# KiCad board anyesc.kicad_pcb
title: ANYESC; date: 2023-08-31; rev: V1.0; company: MUREX Robotics [Byran Huang]; note: electronic speed controlling system; note: ESC agnostic integration board for the MUREX; note: // TECHNOLOGY FOR ALL; note: // ATTEMPT THE IMPOSSIBLE
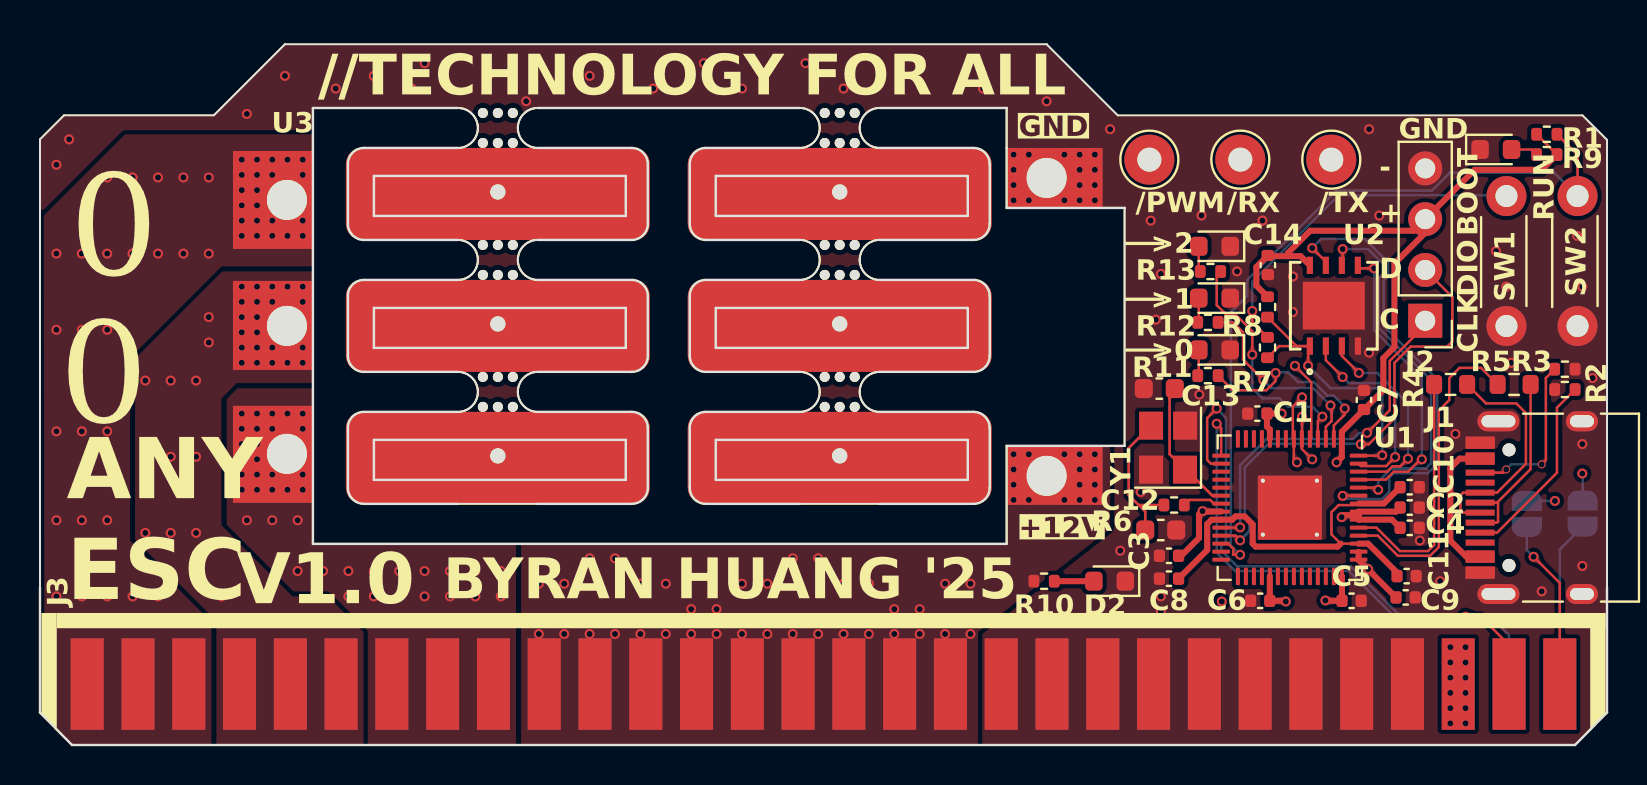
[diagram p0: board, top side]
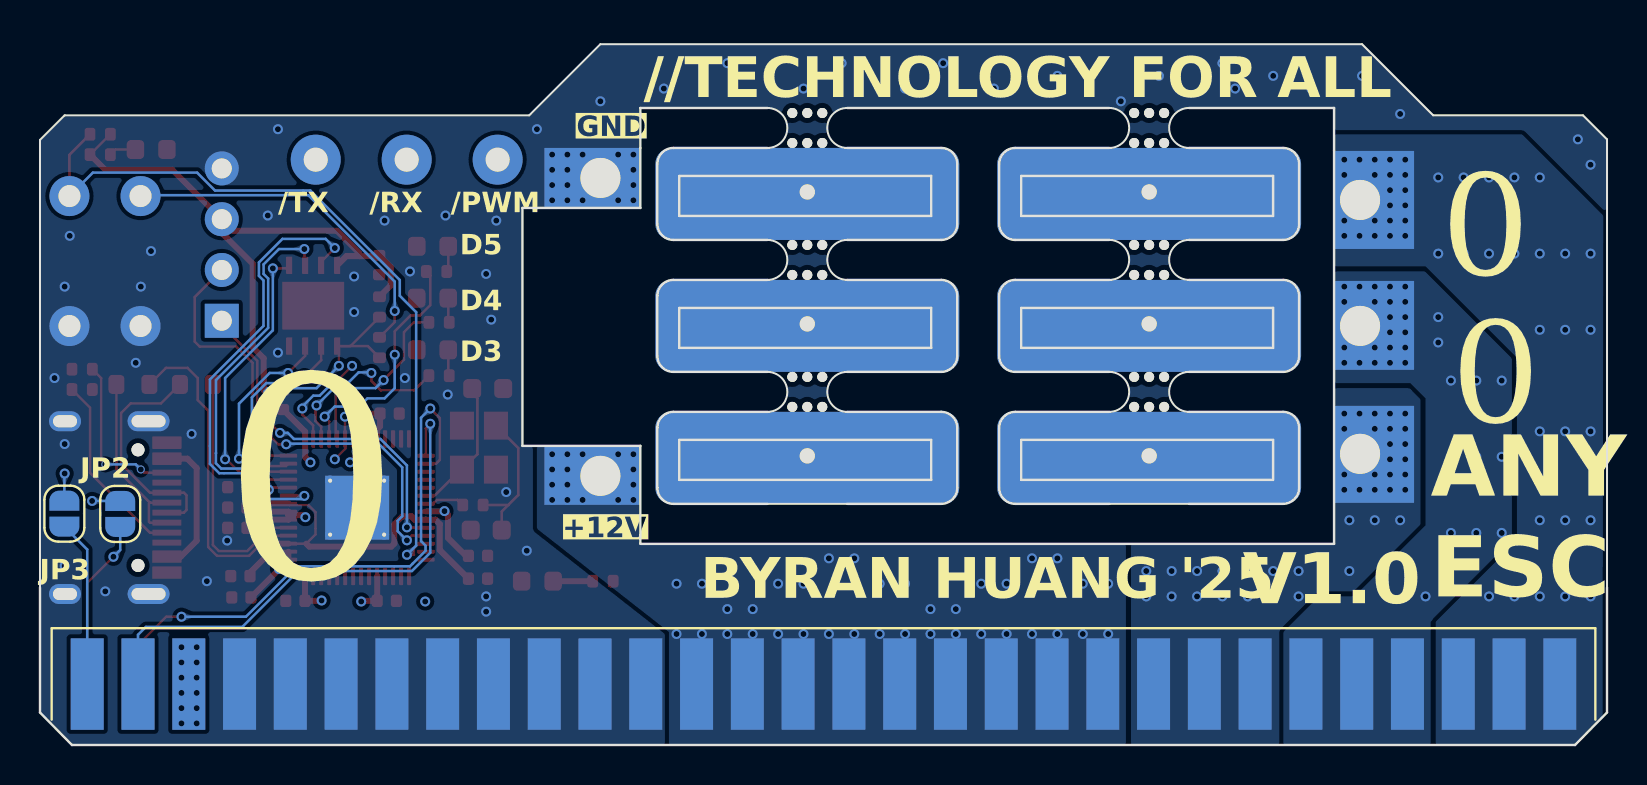
[diagram p1: board, bottom side, seen from below]

Outline 78.38 x 35.05 mm; copper layers: Top, In1.Cu, In2.Cu, Bottom. Coordinates in mm from the lower left corner of the outline.
Outline path: 0,7.87 0,30.29 1.2,31.5 8.7,31.5 12.25,35.05 50.35,35.05 53.91,31.49 77.15,31.49 ; 20.9,31.86 arc(21.9,30.86) 20.9,29.86 ; 20.9,25.26 arc(21.9,24.26) 20.9,23.26 ; 20.9,18.66 arc(21.9,17.66) 20.9,16.66 ; 24.9,29.86 arc(23.9,30.86) 24.9,31.86 ; 24.9,23.26 arc(23.9,24.26) 24.9,25.26 ; 24.9,16.66 arc(23.9,17.66) 24.9,18.66 ; 24.9,12.06 20.9,12.06 ; 38,31.86 arc(39,30.86) 38,29.86 ; 38,25.26 arc(39,24.26) 38,23.26 ; 38,18.66 arc(39,17.66) 38,16.66 ; 42,29.86 arc(41,30.86) 42,31.86 ; 42,23.26 arc(41,24.26) 42,25.26 ; 42,16.66 arc(41,17.66) 42,18.66 ; 42,12.06 38,12.06 ; 77.15,31.5 78.38,30.26 78.38,7.87
Stack: Top 0.035mm / dielectric 0.1mm FR4 er 4.5 / In1.Cu 0.035mm / dielectric 1.24mm FR4 er 4.5 / In2.Cu 0.035mm / dielectric 0.1mm FR4 er 4.5 / Bottom 0.035mm

## Placement (name value [footprint] x y rotation side)
C1  0.1uF  [C_0402_1005Metric]  60.89 16.58 180 top
C2  0.1uF  [C_0402_1005Metric]  68.51 11.88 0 top
C3  0.1uF  [C_0402_1005Metric]  56.47 9.46 180 top
C4  0.1uF  [C_0402_1005Metric]  68.51 10.86 0 top
C5  0.1uF  [C_0402_1005Metric]  65.61 7.21 0 top
C6  0.1uF  [C_0402_1005Metric]  61.04 7.21 180 top
C7  0.1uF  [C_0402_1005Metric]  66.23 17.26 90 top
C8  0.1uF  [C_0402_1005Metric]  56.47 8.32 180 top
C9  1uF  [C_0402_1005Metric]  68.31 7.38 0 top
C10  0.1uF  [C_0402_1005Metric]  68.51 12.89 0 top
C11  1uF  [C_0402_1005Metric]  68.36 8.45 0 top
C12  30pF  [C_0603_1608Metric]  56.06 10.75 0 top
C13  30pF  [C_0603_1608Metric]  55.99 17.83 180 top
C14  1uF  [C_0402_1005Metric]  61.42 24 90 top
D1  LED  [LED_0603_1608Metric]  72.82 29.78 0 top
D2  LED  [LED_0603_1608Metric]  53.5 8.19 180 top
D3  LED0  [LED_0603_1608Metric]  58.75 19.76 180 top
D4  LED1  [LED_0603_1608Metric]  58.75 22.35 180 top
D5  LED2  [LED_0603_1608Metric]  58.75 24.94 180 top
H4  ESC Mount  [Adjustable_ESC_Mount]  40 21.06 180 top
H4#2  ESC Mount  [Adjustable_ESC_Mount]  22.9 21.06 180 top
H5  ESC Mount  [Adjustable_ESC_Mount]  22.9 14.46 180 top
H5#2  ESC Mount  [Adjustable_ESC_Mount]  40 14.46 180 top
H6  ESC Mount  [Adjustable_ESC_Mount]  22.9 27.66 180 top
H6#2  ESC Mount  [Adjustable_ESC_Mount]  40 27.66 180 top
J1  USB_C_Receptacle_USB2.0  [USB_C_Receptacle_HRO_TYPE-C-31-M-12]  76.08 11.87 90 top
J2  Conn_01x04  [PinHeader_1x04_P2.54mm_Vertical]  69.29 21.22 180 top
J3  5530843-7  [TE_5530843-7_PCB_Edge]  39.19 0 0 top
JP2  RX  [SolderJumper-2_P1.3mm_Open_RoundedPad1.0x1.5mm]  74.37 11.56 90 bottom
JP3  TX  [SolderJumper-2_P1.3mm_Open_RoundedPad1.0x1.5mm]  77.17 11.57 90 bottom
mouse-bite-2mm-slot  VAL**  [mouse-bite-2mm-slot]  22.9 24.26 180 top
mouse-bite-2mm-slot#2  VAL**  [mouse-bite-2mm-slot]  40 24.26 180 top
mouse-bite-2mm-slot#3  VAL**  [mouse-bite-2mm-slot]  40 17.66 180 top
mouse-bite-2mm-slot#4  VAL**  [mouse-bite-2mm-slot]  22.9 30.86 180 top
mouse-bite-2mm-slot#5  VAL**  [mouse-bite-2mm-slot]  40 30.86 180 top
mouse-bite-2mm-slot#6  VAL**  [mouse-bite-2mm-slot]  22.9 17.66 180 top
R1  10K  [R_0402_1005Metric]  75.37 30.55 0 top
R2  5.1k  [R_0402_1005Metric]  76.28 17.78 180 top
R3  5.1k  [R_0402_1005Metric]  76.28 18.8 0 top
R4  27  [R_0603_1608Metric]  70.56 18.03 0 top
R5  27  [R_0603_1608Metric]  73.74 18.03 180 top
R6  1K  [R_0402_1005Metric]  56.73 12 180 top
R7  1K  [R_0402_1005Metric]  61.4 19.88 270 top
R8  10K  [R_0402_1005Metric]  61.4 21.91 90 top
R9  1k  [R_0402_1005Metric]  75.37 29.53 180 top
R10  1k  [R_0402_1005Metric]  50.23 8.19 0 top
R11  1k  [R_0402_1005Metric]  58.42 18.47 180 top
R12  1k  [R_0402_1005Metric]  58.42 21.14 180 top
R13  1k  [R_0402_1005Metric]  58.55 23.68 180 top
SW1  SW_Push  [SW_PUSH_6mm_SLIM]  73.36 27.45 270 top
SW2  SW_Push  [SW_PUSH_6mm_SLIM]  76.91 27.45 270 top
TP1  ESC_TX  [TestPoint_THTPad_D2.5mm_Drill1.2mm]  64.59 29.28 270 top
TP2  ESC_RX  [TestPoint_THTPad_D2.5mm_Drill1.2mm]  60.04 29.28 270 top
TP3  ESC_PWM  [TestPoint_THTPad_D2.5mm_Drill1.2mm]  55.49 29.28 270 top
U1  RP2040  [QFN-56-1EP_7x7mm_P0.4mm_EP3.2x3.2mm_ThermalVias]  62.52 11.87 270 top
U2  W25Q64JVXGIQ  [DFN_XGIQ TR_WIN-M]  64.72 21.97 90 top
U3  B-G431B-ESC1  [B-G431B-ESC1_MOUNT]  31.95 20.76 180 top
Y1  12MHz  [Crystal_SMD_3225-4Pin_3.2x2.5mm]  56.43 14.87 90 top

## Library data of the parts
C1-C14 = -: Description: Unpolarized capacitor, small symbol
D1 D2 = -: Description: Light emitting diode
D3-D5 = -: Description: Light emitting diode, small symbol
H4 H4#2 H5 H5#2 H6 H6#2 = -: Description: Mounting Hole without connection
J1 = -: Description: USB 2.0-only Type-C Receptacle connector
J2 = -: Description: Generic connector, single row, 01x04, script generated (kicad-library-utils/schlib/autogen/connector/)
J3 = -: Datasheet: http://www.te.com/commerce/DocumentDelivery/DDEController?Action=srchrtrv&DocNm=5530843&DocType=Customer+Drawing&DocLang=English; Arrow Price/Stock: https://www.arrow.com/en/products/5530843-7/te-connectivity; Height: 15.494; Manufacturer_Name: TE Connectivity; Mouser Part Number: 571-5530843-7; Mouser Price/Stock: https://www.mouser.co.uk/ProductDetail/TE-Connectivity/5530843-7?qs=CWN9I2qbSLtja0SlxvLT%2FQ%3D%3D
JP2 JP3 = -: Description: Jumper, 2-pole, open
R1-R13 = -: Description: Resistor, small symbol
SW1 SW2 = -: Description: Push button switch, generic, two pins
TP1-TP3 = -: Description: test point
U2 = -: Description: 32Mb Serial Flash Memory, Standard/Dual/Quad SPI, SOIC-8

## Footprints (pads in the part's own frame, mm; a bottom-side part is the same pattern mirrored in y, then rotated)
Adjustable_ESC_Mount
  rrect 15.2x4.6 hole 0.762: 1(0,0)
B-G431B-ESC1_MOUNT
  rect 4.75x2.95 hole 2: 1(-18.4,7.3) 2(-18.4,-7.6)
  rect 3.95x4.9 hole 2: 3(19.6,-6.5)
  rect 3.95x4.45 hole 2: 4(19.6,-0.2)
  rect 3.95x4.85 hole 2: 5(19.6,6.2)
C_0402_1005Metric
  rrect 0.56x0.62 smd: 1(-0.48,0) 2(0.48,0)
C_0603_1608Metric
  rrect 0.9x0.95 smd: 1(-0.775,0) 2(0.775,0)
Crystal_SMD_3225-4Pin_3.2x2.5mm
  rect 1.4x1.2 smd: 1(-1.1,-0.85) 2(1.1,-0.85) 3(1.1,0.85) 4(-1.1,0.85)
DFN_XGIQ TR_WIN-M
  rect 0.864x0.305 smd: 1(-2.019,1.2) 2(-2.019,0.4) 3(-2.019,-0.4) 4(-2.019,-1.2) 5(2.019,-1.2) 6(2.019,-0.4) 7(2.019,0.4) 8(2.019,1.2)
  rect 2.388x3.099 smd: 4(0,0)
LED_0603_1608Metric
  rrect 0.875x0.95 smd: 1(-0.787,0) 2(0.787,0)
mouse-bite-2mm-slot
  round 0.5 hole 0.5 unplated: (-0.75,0.75) (-0.75,-0.75) (0,0.75) (0,-0.75) (0.75,0.75) (0.75,-0.75)
PinHeader_1x04_P2.54mm_Vertical
  rect 1.7x1.7 hole 1: 1(0,0)
  oval 1.7x1.7 hole 1: 2(0,-2.54) 3(0,-5.08) 4(0,-7.62)
QFN-56-1EP_7x7mm_P0.4mm_EP3.2x3.2mm_ThermalVias
  custom 1.239x1.239 smd: (-0.675,0.675) (-0.675,-0.675) (0.675,0.675) (0.675,-0.675)
  rrect 0.875x0.2 smd: 1(-3.438,2.6) 2(-3.438,2.2) 3(-3.438,1.8) 4(-3.438,1.4) 5(-3.438,1) 6(-3.438,0.6) 7(-3.438,0.2) 8(-3.438,-0.2) 9(-3.438,-0.6) 10(-3.438,-1) 11(-3.438,-1.4) 12(-3.438,-1.8) 13(-3.438,-2.2) 14(-3.438,-2.6) 29(3.438,-2.6) 30(3.438,-2.2) 31(3.438,-1.8) 32(3.438,-1.4) 33(3.438,-1) 34(3.438,-0.6) 35(3.438,-0.2) 36(3.438,0.2) 37(3.438,0.6) 38(3.438,1) 39(3.438,1.4) 40(3.438,1.8) 41(3.438,2.2) 42(3.438,2.6)
  rrect 0.2x0.875 smd: 15(-2.6,-3.438) 16(-2.2,-3.438) 17(-1.8,-3.438) 18(-1.4,-3.438) 19(-1,-3.438) 20(-0.6,-3.438) 21(-0.2,-3.438) 22(0.2,-3.438) 23(0.6,-3.438) 24(1,-3.438) 25(1.4,-3.438) 26(1.8,-3.438) 27(2.2,-3.438) 28(2.6,-3.438) 43(2.6,3.438) 44(2.2,3.438) 45(1.8,3.438) 46(1.4,3.438) 47(1,3.438) 48(0.6,3.438) 49(0.2,3.438) 50(-0.2,3.438) 51(-0.6,3.438) 52(-1,3.438) 53(-1.4,3.438) 54(-1.8,3.438) 55(-2.2,3.438) 56(-2.6,3.438)
  round 0.5 hole 0.2: 57(-1.35,1.35) 57(-1.35,-1.35) 57(1.35,1.35) 57(1.35,-1.35)
  rect 3.2x3.2 smd: 57(0,0)
  rect 3.2x3.2 smd far side: 57(0,0)
R_0402_1005Metric
  rrect 0.54x0.64 smd: 1(-0.51,0) 2(0.51,0)
R_0603_1608Metric
  rrect 0.8x0.95 smd: 1(-0.825,0) 2(0.825,0)
SolderJumper-2_P1.3mm_Open_RoundedPad1.0x1.5mm
  custom 1x1.5 smd: 1(-0.65,0) 2(0.65,0)
SW_PUSH_6mm_SLIM
  round 2 hole 1.1: 1(0,0) 2(6.5,0)
TE_5530843-7_PCB_Edge
  rect 1.651x4.572 smd far side: 1(-36.83,3.048) 3(-34.29,3.048) 5(-31.75,3.048) 7(-29.21,3.048) 9(-26.67,3.048) 11(-24.13,3.048) 13(-21.59,3.048) 15(-19.05,3.048) 17(-16.51,3.048) 19(-13.97,3.048) 21(-11.43,3.048) 23(-8.89,3.048) 25(-6.35,3.048) 27(-3.81,3.048) 29(-1.27,3.048) 31(1.27,3.048) 33(3.81,3.048) 35(6.35,3.048) 37(8.89,3.048) 39(11.43,3.048) 41(13.97,3.048) 43(16.51,3.048) 45(19.05,3.048) 47(21.59,3.048) 49(24.13,3.048) 51(26.67,3.048) 53(29.21,3.048) 55(31.75,3.048) 57(34.29,3.048) 59(36.83,3.048)
  rect 1.651x4.572 smd: 2(-36.83,3.048) 4(-34.29,3.048) 6(-31.75,3.048) 8(-29.21,3.048) 10(-26.67,3.048) 12(-24.13,3.048) 14(-21.59,3.048) 16(-19.05,3.048) 18(-16.51,3.048) 20(-13.97,3.048) 22(-11.43,3.048) 24(-8.89,3.048) 26(-6.35,3.048) 28(-3.81,3.048) 30(-1.27,3.048) 32(1.27,3.048) 34(3.81,3.048) 36(6.35,3.048) 38(8.89,3.048) 40(11.43,3.048) 42(13.97,3.048) 44(16.51,3.048) 46(19.05,3.048) 48(21.59,3.048) 50(24.13,3.048) 52(26.67,3.048) 54(29.21,3.048) 56(31.75,3.048) 58(34.29,3.048) 60(36.83,3.048)
TestPoint_THTPad_D2.5mm_Drill1.2mm
  round 2.5 hole 1.2: 1(0,0)
USB_C_Receptacle_HRO_TYPE-C-31-M-12
  round 0.65 hole 0.65 unplated: (-2.89,2.6) (2.89,2.6)
  rect 0.6x1.45 smd: A1(-3.25,4.045) A4(-2.45,4.045) A9(2.45,4.045) A12(3.25,4.045) B1(3.25,4.045) B4(2.45,4.045) B9(-2.45,4.045) B12(-3.25,4.045)
  rect 0.3x1.45 smd: A5(-1.25,4.045) A6(-0.25,4.045) A7(0.25,4.045) A8(1.25,4.045) B5(1.75,4.045) B6(0.75,4.045) B7(-0.75,4.045) B8(-1.75,4.045)
  oval 1x2.1 hole 0.6x1.7: S1(-4.32,3.13) S1(4.32,3.13)
  oval 1x1.6 hole 0.6x1.2: S1(-4.32,-1.05) S1(4.32,-1.05)

## Nets
+3V3: C1.1 C2.1 C3.1 C4.1 C5.1 C6.1 C7.1 C9.1 C14.2 J2.3 J3.55 J3.56 R1.1 R8.2 R9.1 U1.1 U1.10 U1.22 U1.33 U1.42 U1.43 U1.44 U1.48 U1.49 U2.8
+12V: J3.19 J3.20 J3.21 J3.22 J3.23 J3.24 J3.25 J3.26 J3.27 J3.28 J3.29 J3.30 J3.31 J3.32 J3.33 J3.34 J3.35 J3.36 R10.1 U3.1
/RP2040/+1.1V: C8.1 C10.1 C11.1 U1.23 U1.45 U1.50
GND: C1.2 C2.2 C3.2 C4.2 C5.2 C6.2 C7.2 C8.2 C9.2 C10.2 C11.2 C12.2 C13.2 C14.1 D1.1 D2.1 D3.1 D4.1 D5.1 J1.A1 J1.A12 J1.B1 J1.B12 J1.S1 J2.4 J3.37 J3.38 J3.39 J3.40 J3.41 J3.42 J3.43 J3.44 J3.45 J3.46 J3.47 J3.48 J3.49 J3.50 J3.51 J3.52 J3.53 J3.54 R2.2 R3.2 SW1.2 SW2.2 U1.19 U1.57 U2.4 U3.2 Y1.2 Y1.4
/BOARD_RX: J3.58 U1.16
/BOARD_RX_1: J3.60 JP2.1
/BOARD_TX: J3.57 U1.15
/BOARD_TX_1: J3.59 JP3.1
/ESC_PWM: TP3.1 U1.5
/PHASE_A: J3.1 J3.2 J3.3 J3.4 J3.5 J3.6 U3.3
/PHASE_B: J3.7 J3.8 J3.9 J3.10 J3.11 J3.12 U3.4
/PHASE_C: J3.13 J3.14 J3.15 J3.16 J3.17 J3.18 U3.5
/RP2040/ADC0: U1.38
/RP2040/ADC1: U1.39
/RP2040/ADC2: U1.40
/RP2040/ADC3: U1.41
/RP2040/LED0: R11.1 U1.2
/RP2040/LED1: R12.1 U1.3
/RP2040/LED2: R13.1 U1.4
/RP2040/QSPI_CS: R7.2 R8.1 U1.56 U2.1
/RP2040/QSPI_SCK: U1.52 U2.6
/RP2040/QSPI_SD0: U1.53 U2.5
/RP2040/QSPI_SD1: U1.55 U2.2
/RP2040/QSPI_SD2: U1.54 U2.3
/RP2040/QSPI_SD3: U1.51 U2.7
/RP2040/RUN: R1.2 SW2.1 U1.26
/RP2040/SWCLK: J2.1 U1.24
/RP2040/SWDIO: J2.2 U1.25
/RP2040/USB_BOOT: R7.1 SW1.1
/RP2040/USB_N: J1.A7 J1.B7 R5.1
/RP2040/USB_P: J1.A6 J1.B6 R4.2
/RP2040/USB_VBUS: J1.A4 J1.A9 J1.B4 J1.B9
/RP2040/XIN: C13.1 U1.20 Y1.1
/RP2040/XOUT: R6.1 U1.21
/UART1_RX: JP2.2 TP2.1 U1.7
/UART1_TX: JP3.2 TP1.1 U1.6
Net-(C12-Pad1): C12.1 R6.2 Y1.3
Net-(D1-A): D1.2 R9.2
Net-(D2-A): D2.2 R10.2
Net-(D3-A): D3.2 R11.2
Net-(D4-A): D4.2 R12.2
Net-(D5-A): D5.2 R13.2
Net-(J1-CC1): J1.A5 R2.1
Net-(J1-CC2): J1.B5 R3.1
Net-(U1-USB_DM): R5.2 U1.46
Net-(U1-USB_DP): R4.1 U1.47

Pads without a net: H4 1; H4#2 1; H5 1; H5#2 1; H6 1; H6#2 1; J1 A8 B8; U1 8 9 11 12 13 14 17 18 27 28 29 30 31 32 34 35 36 37

## Via types
v1: diameter 0.5, hole 0.3, Top to Bottom, 296 vias
v2: diameter 0.4, hole 0.3, Top to Bottom, 2 vias

## Routing (per net, layer and track width the routed paths; a pad name or vN(x,y) marks a point on that pad's centre or on a via; arc(x,y) is an arc through that point)
+3V3: length 54.6
  Top w0.125: R9.1 75.88,29.53 R1.1
  Top w0.3: R8.2 60.85,22.97 60.85,23.91 61.42,24.48 61.45,24.45 62.42,24.45 ; v1(62.11,16.58) C1.1 61.37,15.93 61.52,15.78 U1.10 ; 65.96,11.5 U1.48 67.63,11.27 C4.1 ; 65.96,11.5 U1.49 67.83,11.67 C2.1 ; 65.96,11.5 65.21,11.5 v1(65.11,11.39) ; 62.42,24.45 62.42,24.6 63.54,25.72 68.71,25.72 J2.3 ; 62.42,24.45 63.06,24.45 U2.8 ; J2.3 69.29,25.62 67.75,24.08 67.75,19.9 67.2,19.35 67.2,17.75 C7.1 65.12,15.67 U1.1 65.12,14.4 v1(64.86,14.14) ; J2.3 71.76,28.77 75.12,28.77 R9.1 ; 65.96,9.66 65.96,9.25 66.41,8.8 v1(66.43,8.8) 66.43,8.78 C9.1 ; 59.08,11.68 58.17,11.68 v1(58.15,11.7) 57.98,11.52 57.98,10.36 57.08,9.46 C3.1 ; v1(64.3,7.23) 64.31,7.21 C5.1 65.13,8.43 U1.42 ; U1.33 61.52,8.43 C6.1 62.28,7.21 v1(62.32,7.18)
  vias: v1(59.12,7.18) v1(70.55,4.89) v1(70.55,4.13) v1(70.55,3.37) v1(70.55,2.61) v1(70.55,1.84) v1(70.55,1.08) v1(71.31,4.89) v1(71.31,4.13) v1(71.31,3.37) v1(71.31,2.61) v1(71.31,1.84) v1(71.31,1.08)
+12V:
  vias: v1(24.95,8.07) v1(24.95,5.55) v1(26.22,8.07) v1(26.22,5.55) v1(27.49,9.34) v1(27.49,5.55) v1(28.76,9.34) v1(28.76,5.55) v1(30.03,8.07) v1(30.03,5.55) v1(31.3,8.07) v1(31.3,5.55) v1(32.57,6.8) v1(32.57,5.55) v1(33.84,6.8) v1(33.84,5.55) v1(35.11,8.07) v1(35.11,5.55) v1(36.38,8.07) v1(36.38,5.55) v1(37.65,9.34) v1(37.65,5.55) v1(38.92,9.34) v1(38.92,5.55) v1(40.19,8.07) v1(40.19,5.55) v1(41.46,8.07) v1(41.46,5.55) v1(42.73,6.8) v1(42.73,5.55) v1(44,6.8) v1(44,5.55) v1(45.27,8.07) v1(45.27,5.55) v1(46.54,8.07) v1(46.54,5.55) v1(48.7,14.54) v1(48.7,13.78) v1(48.7,13.02) v1(48.7,12.26) v1(49.46,14.54) v1(49.46,12.26) v1(51.24,14.54) v1(51.24,12.26) v1(52,14.54) v1(52,13.78) v1(52,13.02) v1(52,12.26) v1(52.77,14.54) v1(52.77,13.78) v1(52.77,13.02) v1(52.77,12.26)
/RP2040/+1.1V: length 20.7
  Top w0.125: U1.45 65.06,10.07 64.6,10.53 64.6,11.65 64.95,12 65.89,12 U1.50
  Top w0.3: C11.1 67.88,8.62 66.43,10.07 U1.45 ; C10.1 67.22,12.08 65.97,12.08 ; C8.1 58.39,9.75 58.39,11.05 58.61,11.27 U1.23 59.64,11.27 59.8,11.44 60.26,11.44 60.66,11.03 60.66,10.07 60.81,9.92 64.91,9.92 65.06,10.07
GND:
  vias: v1(0.82,29.02) v1(1.46,30.29) v1(10.35,31.56) v1(12.25,33.47) v1(14.79,32.83) v1(16.7,33.47) v1(18.6,32.83) v1(19.24,34.1) v1(22.41,33.47) v1(24.32,32.2) v1(27.49,33.47) v1(30.67,32.83) v1(33.21,34.1) v1(35.11,32.83) v1(38.29,34.1) v1(40.19,32.83) v1(44,34.1) v1(47.18,32.83) v1(48.7,29.53) v1(48.7,28.77) v1(48.7,28.01) v1(48.7,27.24) v1(49.46,29.53) v1(49.46,27.24) v1(50.35,32.2) v1(51.24,29.53) v1(51.24,27.24) v1(52,29.53) v1(52,28.77) v1(52,28.01) v1(52,27.24) v1(52.77,29.53) v1(52.77,28.77) v1(52.77,28.01) v1(52.77,27.24) v1(53.53,30.8) v1(54.04,9.72) v1(55.06,12.65) v1(55.56,26.23) v1(55.81,21.27) v1(56.07,23.56) v1(56.07,7.43) v1(56.07,6.67) v1(57.99,17.53) v1(58.1,26.48) v1(59.88,23.69) v1(60.13,18.35) v1(61.15,26.23) v1(62.67,23.43) v1(62.67,21.66) v1(66.48,30.8) v1(66.48,19.62) v1(66.99,26.48) v1(69.02,10.23) v1(70.04,8.19) v1(70.8,15.56) v1(72.83,24.7) v1(73.34,22.93) v1(73.59,19.12) v1(75.12,7.69) v1(76.9,25.47) v1(77.15,22.93) v1(77.15,15.05) v1(77.15,8.96) v1(77.66,18.35)
/BOARD_RX: length 29.2
  Top w0.125: U1.16 58.57,14.07 58.39,14.26 58.39,16.35 v1(58.86,16.83) ; v1(71.31,6.42) 72.07,6.42 73.48,5 J3.58
  Bottom w0.125: v1(71.31,6.42) 68.08,6.42 65.56,8.94 59.88,8.94 59.1,9.72 59.1,9.97 59.32,10.2 59.32,16.37 v1(58.86,16.83)
/BOARD_RX_1: length 8.5
  Top w0.125: v1(74.71,9.41) 76.02,8.1 J3.60
  Bottom w0.125: 74.37,10.91 74.37,9.75 v1(74.71,9.41)
/BOARD_TX: length 26.9
  Top w0.125: v1(58.86,16.07) 59.08,15.85 U1.15
  Bottom w0.125: J3.57 73.48,5.51 73.09,5.91 68.26,5.91 65.47,8.7 59.78,8.7 58.86,9.62 v1(58.86,16.07)
/BOARD_TX_1: length 8.3
  Bottom w0.125: JP3.1 76.02,9.78 J3.59
/ESC_PWM: length 22.1
  Top w0.125: v1(62.77,18.96) 63.59,18.15 63.59,15.38 U1.5
  In2.Cu w0.125: v1(62.77,18.96) 64.12,20.31 64.12,26.89 63.55,27.46 57.3,27.46 TP3.1
/PHASE_A:
  vias: v1(0.82,24.58) v1(0.82,20.77) v1(0.82,15.69) v1(0.82,11.24) v1(0.82,7.43) v1(2.09,24.58) v1(2.09,20.77) v1(2.09,15.69) v1(2.09,11.24) v1(2.09,7.43) v1(3.36,28.39) v1(3.36,24.58) v1(3.36,20.77) v1(3.36,15.69) v1(3.36,11.24) v1(3.36,7.43) v1(4.63,28.39) v1(4.63,24.58) v1(4.63,7.43) v1(5.9,28.39) v1(5.9,24.58) v1(5.9,7.43) v1(7.17,28.39) v1(7.17,24.58) v1(8.44,28.39) v1(8.44,24.58) v1(10.09,29.28) v1(10.09,28.51) v1(10.09,27.75) v1(10.09,26.99) v1(10.09,26.23) v1(10.09,25.47) v1(10.86,29.28) v1(10.86,28.51) v1(10.86,27.75) v1(10.86,26.99) v1(10.86,26.23) v1(10.86,25.47) v1(11.62,29.28) v1(11.62,28.51) v1(11.62,26.23) v1(11.62,25.47) v1(12.38,29.28) v1(12.38,25.47) v1(13.14,29.28) v1(13.14,28.51) v1(13.14,26.23) v1(13.14,25.47)
/PHASE_B:
  vias: v1(5.27,18.23) v1(5.27,14.42) v1(5.27,10.61) v1(6.54,18.23) v1(6.54,14.42) v1(6.54,10.61) v1(7.81,18.23) v1(7.81,14.42) v1(7.81,10.61) v1(8.44,21.4) v1(8.44,20.13) v1(9.08,7.43) v1(10.09,22.93) v1(10.09,22.16) v1(10.09,21.4) v1(10.09,20.64) v1(10.09,19.88) v1(10.09,19.12) v1(10.86,22.93) v1(10.86,22.16) v1(10.86,21.4) v1(10.86,20.64) v1(10.86,19.88) v1(10.86,19.12) v1(10.98,7.43) v1(11.62,22.93) v1(11.62,22.16) v1(11.62,19.88) v1(11.62,19.12) v1(12.38,22.93) v1(12.38,19.12) v1(13.14,22.93) v1(13.14,22.16) v1(13.14,19.88) v1(13.14,19.12)
/PHASE_C:
  vias: v1(10.09,16.58) v1(10.09,15.81) v1(10.09,15.05) v1(10.09,14.29) v1(10.09,13.53) v1(10.09,12.77) v1(10.35,11.24) v1(10.86,16.58) v1(10.86,15.81) v1(10.86,15.05) v1(10.86,14.29) v1(10.86,13.53) v1(10.86,12.77) v1(11.62,16.58) v1(11.62,15.81) v1(11.62,13.53) v1(11.62,12.77) v1(11.62,11.24) v1(12.38,16.58) v1(12.38,12.77) v1(12.89,11.24) v1(12.89,8.7) v1(13.14,16.58) v1(13.14,15.81) v1(13.14,13.53) v1(13.14,12.77) v1(14.16,8.7) v1(15.43,8.7) v1(15.43,7.43) v1(16.7,8.7) v1(16.7,7.43) v1(17.97,8.7) v1(17.97,7.43) v1(19.24,8.7) v1(19.24,7.43) v1(20.51,8.7) v1(20.51,7.43) v1(21.78,8.7) v1(21.78,7.43) v1(23.05,8.7) v1(23.05,7.43)
/RP2040/LED0: length 9.8
  Top w0.125: v1(61.81,18.61) 61.81,18.21 61.34,17.74 59.66,17.74 R11.1 ; U1.2 64.72,15.98 65.26,16.53 v1(65.26,16.83)
  Bottom w0.125: v1(65.26,16.83) 65.26,16.92 64.72,17.47 64.39,17.47 63.72,18.15 62.93,18.15 62.45,18.64 61.84,18.64 v1(61.81,18.61)
/RP2040/LED1: length 10
  Top w0.125: v1(61.2,18.25) 60.18,19.27 60.18,20.64 59.68,21.14 R12.1 ; U1.3 64.32,15.92 64.61,16.2 64.61,16.93 v1(64.55,16.98)
  Bottom w0.125: v1(61.2,18.25) 61.6,17.85 63.68,17.85 v1(64.55,16.98)
/RP2040/LED2: length 12.2
  Top w0.125: U1.4 63.92,16.2 v1(64.15,16.42) ; v1(60.64,19.52) 60.64,20.69 59.84,21.49 59.37,21.49 58.86,22 58.86,23.48 R13.1
  Bottom w0.125: v1(64.15,16.42) 63.64,16.93 62.42,16.93 62,17.34 61.15,17.34 60.64,17.85 v1(60.64,19.52)
/RP2040/QSPI_CS: length 14.7
  Top w0.125: R7.2 61.98,19.95 U2.1 ; v1(63.43,18.96) 63.43,19.87 U2.1 ; U1.56 67.12,14.47 v1(67.14,14.49) ; U2.1 62.85,19.95 R8.1
  Bottom w0.125: v1(67.14,14.49) 67.14,17.69 66.99,17.85 64.55,17.85 v1(63.43,18.96)
/RP2040/QSPI_SCK: length 18.8
  Top w0.125: U1.52 66.83,12.87 v1(66.94,12.77) ; v1(65.16,24.81) 65.16,24.03 U2.6
  Bottom w0.125: v1(65.16,24.81) 66.43,24.81 67.2,24.04 67.2,23.56 66.97,23.33 66.97,20.86 69.58,18.25 69.58,14.59 69.59,14.59 69.59,14.09 69.32,13.83 67.6,13.83 67.6,13.83 66.94,13.17 v1(66.94,12.77)
/RP2040/QSPI_SD0: length 15
  Top w0.125: U1.53 67.32,13.27 67.71,13.67 68.43,13.67 69.05,14.29 v1(69.12,14.29) ; v1(66.74,23.84) 66.07,23.84 U2.5
  Bottom w0.125: v1(66.74,23.84) 66.74,20.74 69.12,18.35 v1(69.12,14.29)
/RP2040/QSPI_SD1: length 10
  Top w0.125: U1.55 66.08,13.95 67.34,13.95 v1(67.79,14.4) ; v1(65.16,18.4) 64.32,19.25 U2.2
  Bottom w0.125: v1(67.79,14.4) 67.79,17.38 67.07,18.1 65.47,18.1 v1(65.16,18.4)
/RP2040/QSPI_SD2: length 10.3
  Top w0.125: v1(65.97,18.61) 65.12,19.46 U2.3 ; U1.54 67.39,13.67 67.65,13.93 68.05,13.93 v1(68.43,14.32)
  Bottom w0.125: v1(68.43,14.32) 68.43,17.07 66.89,18.61 v1(65.97,18.61)
/RP2040/QSPI_SD3: length 23.6
  Top w0.125: U1.51 65.17,12.47 v1(65.16,12.46) ; U2.7 64.32,24.17 v1(63.64,24.86)
  Bottom w0.125: v1(63.64,24.86) 64.09,25.31 66.26,25.31 67.43,24.14 67.43,23.46 67.21,23.24 67.21,20.96 69.89,18.28 69.89,14.06 69.42,13.59 67.69,13.59 67.49,13.39 67.49,12.66 67.13,12.3 65.32,12.3 v1(65.16,12.46)
/RP2040/RUN: length 38.4
  Top w0.125: v1(60.03,9.51) 59.68,9.51 59.69,9.53 59.69,9.81 59.43,10.07 U1.26
  Top w0.13: R1.2 76.91,29.52 SW2.1
  Bottom w0.125: SW2.1 75.74,28.63 70.52,28.63 69.63,27.73 64.86,27.73 60.39,23.26 60.39,22.47 59.57,21.65 59.57,9.98 v1(60.03,9.51)
/RP2040/SWCLK: length 17.9
  Top w0.125: v1(66.38,15.61) 67.52,16.75 67.52,19.21 69.29,20.99 J2.1 ; v1(60.03,10.89) 60.02,10.87 U1.24
  Bottom w0.125: v1(60.03,10.89) 60.03,13.99 61.35,15.31 65.68,15.31 65.99,15.61 v1(66.38,15.61)
/RP2040/SWDIO: length 23.8
  Top w0.125: U1.25 59.8,10.47 v1(60.03,10.24) ; v1(66.07,15.04) 66.46,15.04 67.75,16.33 67.75,19.12 68.56,19.93 70.39,19.93 70.65,20.18 70.65,22.4 J2.2
  Bottom w0.125: v1(60.03,10.24) 60.03,10.24 60.49,10.7 60.49,11.22 60.27,11.45 60.27,13.89 61.45,15.07 66.04,15.07 v1(66.07,15.04)
/RP2040/USB_BOOT: length 17.6
  Top w0.125: R7.1 60.64,21.15 v1(60.64,21.71)
  Bottom w0.125: SW1.1 73.31,27.5 64.96,27.5 60.64,23.18 v1(60.64,21.71)
/RP2040/USB_N: length 9.3
  Top w0.125: J1.A7 72.89,12.12 ; 72.89,12.12 72.93,12.08 72.93,11.17 72.89,11.12 J1.B7 ; 72.89,12.12 74.56,13.8 74.56,18.03
/RP2040/USB_P: length 11.8
  Top w0.125: J1.A6 71.19,11.62 71.05,11.76 71.05,12.49 71.19,12.62 J1.B6 72.89,12.62 74.33,14.06 74.33,16.61 73.85,17.08 72.34,17.08 R4.2
/RP2040/USB_VBUS: length 7.1
  Top w0.3: J1.A4 71.34,9.42 70.55,10.22 70.55,13.86 71.01,14.32 J1.A9
/RP2040/XIN: length 6.7
  Top w0.13: 56.81,17.64 56.5,17.34 56.5,14.55 Y1.1 57.34,13.77 58.65,12.47 U1.20
/RP2040/XOUT: length 2
  Top w0.125: U1.21 58.72,12.07 58.53,12.26 57.49,12.26 R6.1
/UART1_RX: length 34
  Top w0.125: v1(63.13,17.39) 62.67,16.93 62.67,15.36 U1.7 62.72,14.29 v1(62.88,14.14)
  In2.Cu w0.125: v1(75.78,12.21) 72.96,12.21 71.94,13.23 66.75,13.23 66.74,13.22 64.46,13.22 63.96,13.73 63.28,13.73 v1(62.88,14.14) ; TP2.1 61.62,27.7 63.65,27.7 64.36,26.99 64.36,18.62 v1(63.13,17.39)
  Bottom w0.125: v1(75.78,12.21) 74.37,12.21 74.37,12.21
/UART1_TX: length 31.9
  Top w0.125: v1(63.64,14.29) 63.12,14.81 U1.6 63.13,15.32 v1(63.13,16.42)
  In2.Cu w0.125: v1(77.15,13.58) 75.31,13.58 74.18,12.44 73.06,12.44 72.04,13.46 64.56,13.46 63.73,14.29 v1(63.64,14.29) ; TP1.1 64.59,17.89 v1(63.13,16.42)
  Bottom w0.125: JP3.2 77.17,13.56 v1(77.15,13.58)
Net-(C12-Pad1): length 7.3
  Top w0.13: R6.2 54.96,12 ; 54.96,12 54.46,12.5 54.46,14.85 Y1.3 ; 54.96,12 55.29,11.67 C12.1
Net-(D1-A): length 1.4
  Top w0.125: 73.61,29.78 74.61,29.78 R9.2
Net-(D2-A): length 2
  Top w0.3: D2.2 R10.2
Net-(D3-A): length 1.3
  Top w0.125: R11.2 57.96,18.52 D3.2
Net-(D4-A): length 1.2
  Top w0.125: R12.2 57.96,21.19 D4.2
Net-(D5-A): length 1.3
  Top w0.125: R13.2 57.96,23.76 D5.2
Net-(J1-CC1): length 9.6
  Top w0.125: R2.1 75.88,16.87 75.88,13.62 72.89,10.62 J1.A5
Net-(J1-CC2): length 8.3
  Top w0.125: v2(75.12,14.04) 75.32,14.24 75.32,18.35 R3.1 ; J1.B5 73.18,13.62 v2(73.34,13.78)
  Bottom w0.125: v2(75.12,14.04) 73.59,14.04 v2(73.34,13.78)
Net-(U1-USB_DM): length 16.2
  Top w0.125: R5.2 72.08,18.86 71,18.86 70.5,18.35 70.5,17.25 69.97,16.73 69.97,9.9 69.53,9.46 67.92,9.46 66.92,10.47 U1.46
Net-(U1-USB_DP): length 12.4
  Top w0.125: U1.47 66.85,10.87 68.02,9.7 69.43,9.7 69.74,10 R4.1

## Copper pours and planes (outline as drawn; the poured copper is in the pictures)
+3V3 on In2.Cu: 69.73,-1.05 72.12,-1.05 72.12,5.65 71,6.77 68.62,6.77 68.31,7.08 67.3,7.08 66.94,6.72 66.94,6.26 67.19,6.01 69.58,6.01 69.58,-0.9
+3V3 on In2.Cu: 57.9,17.13 68.31,17.13 68.31,6.52 57.95,6.52 57.9,6.57
+12V on Top, Bottom, In1.Cu, In2.Cu: 24.06,-0.19 24.06,10.73 45.65,10.73 45.65,15.76 53.53,15.76 53.53,10.82 46.92,5.65 46.92,-0.19
GND on Top, Bottom, In1.Cu, In2.Cu: -0.32,35.75 -0.32,-0.44 -0.07,-0.7 78.93,-0.7 78.93,35.75
/PHASE_A on Top, Bottom, In1.Cu, In2.Cu: 0.22,-0.19 8.57,-0.19 8.57,6.16 4.51,10.23 4.51,19.37 9.08,23.94 14.16,23.94 14.16,30.55 4.25,30.55 0.19,26.48
/PHASE_B on Top, Bottom, In1.Cu, In2.Cu: 16.19,-0.19 16.19,5.65 14.41,7.43 12.63,7.43 9.08,10.99 9.08,17.34 9.84,18.1 14.16,18.1 14.16,23.69 9.08,23.69 4.76,19.37 4.76,10.23 8.82,6.16 8.82,-0.19
/PHASE_C on Top, Bottom, In1.Cu, In2.Cu: 23.81,-0.19 23.81,10.73 16.7,17.85 9.33,17.85 9.33,10.99 12.63,7.69 14.41,7.69 16.19,5.91 16.19,-0.19

Small or netless copper shapes (teardrops, artwork), in the pictures only: 44 on Top, 32 on Bottom, 7 on In2.Cu

## Text on the board
B.Silkscreen: 0 | GND | +12V | /PWM | /RX | /TX | BYRAN HUANG '25 | //TECHNOLOGY FOR ALL | ${REVISION} | ANY / ESC
F.Silkscreen: 0 | GND | +12V | /PWM | >2 | >1 | >0 | /RX | /TX | - | + | D | C | BOOT | DIO | CLK | RUN | //TECHNOLOGY FOR ALL | BYRAN HUANG '25 | ${REVISION} | ANY / ESC
